# KiCad board pcb.kicad_pcb (continued)
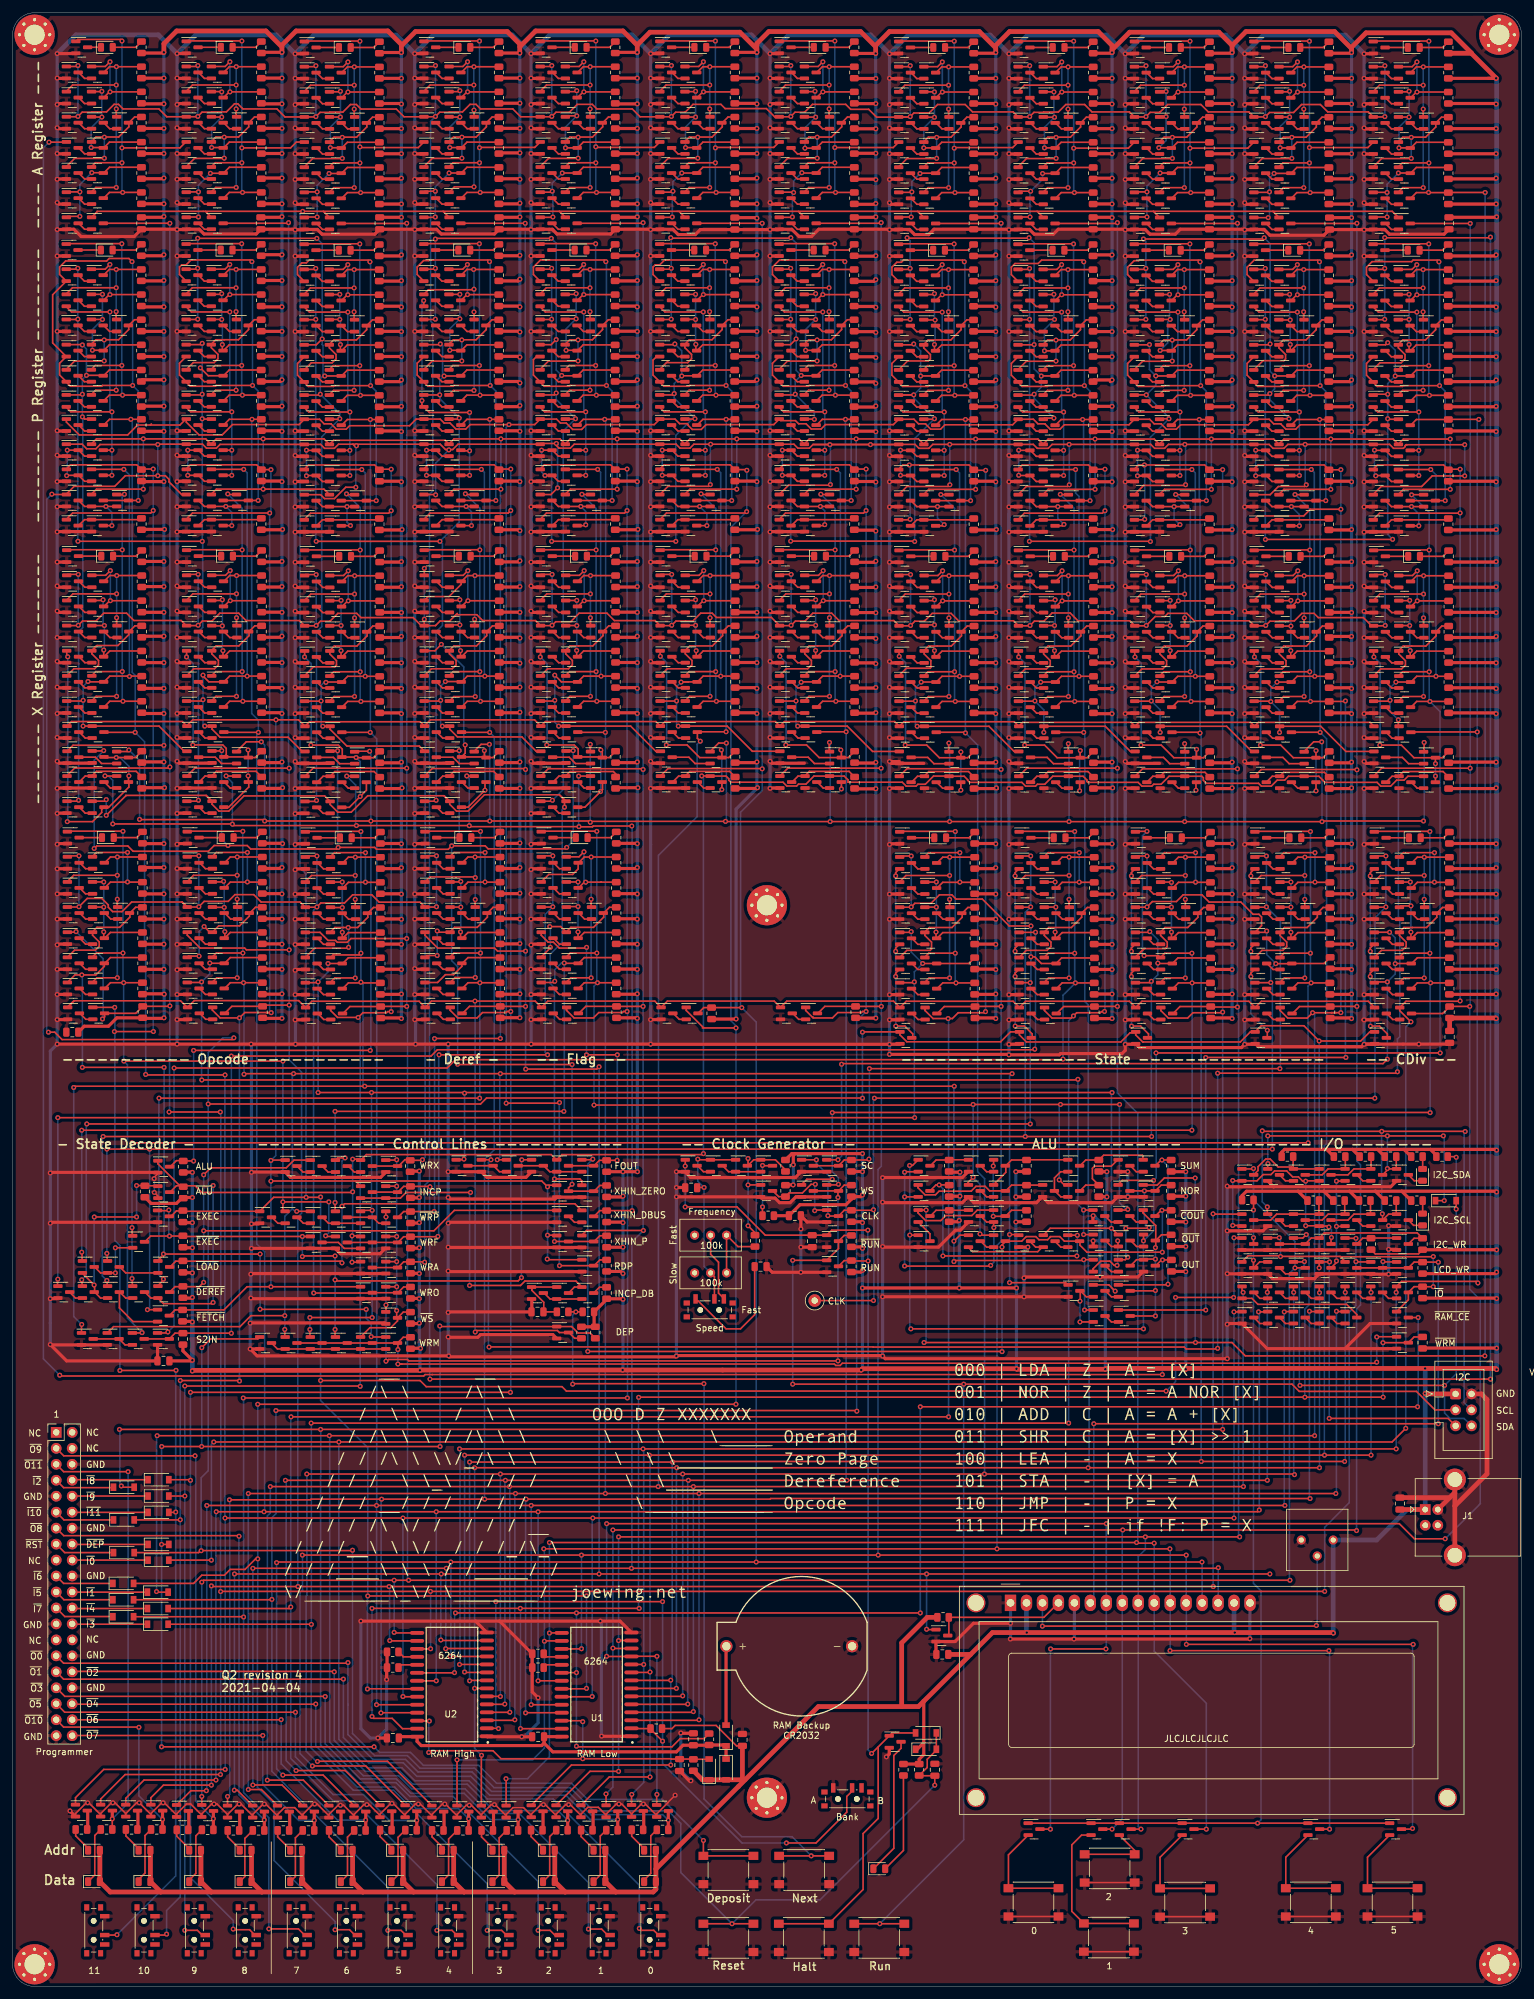
[diagram p0: board, top side]
## Placement (name value [footprint] x y rotation side) (continued)
Q278  2N7002  [SOT-23]  145.95 207.54 0 top
Q279  2N7002  [SOT-23]  145.95 223.54 0 top
Q280  2N7002  [SOT-23]  141.95 207.54 0 top
Q281  2N7002  [SOT-23]  141.95 223.54 0 top
Q282  2N7002  [SOT-23]  149.95 215.54 0 top
Q283  2N7002  [SOT-23]  145.95 215.54 0 top
Q284  2N7002  [SOT-23]  141.95 215.54 0 top
Q285  2N7002  [SOT-23]  145.95 211.54 0 top
Q286  2N7002  [SOT-23]  141.95 211.54 0 top
Q287  2N7002  [SOT-23]  146.06 158.76 0 top
Q288  2N7002  [SOT-23]  146.06 174.76 0 top
Q289  2N7002  [SOT-23]  142.06 158.76 0 top
Q290  2N7002  [SOT-23]  142.06 174.76 0 top
Q291  2N7002K  [SOT-23]  142.06 182.76 0 top
Q292  2N7002  [SOT-23]  146.06 162.76 0 top
Q293  2N7002  [SOT-23]  146.06 178.76 0 top
Q294  2N7002  [SOT-23]  142.06 162.76 0 top
Q295  2N7002  [SOT-23]  142.06 178.76 0 top
Q296  2N7002  [SOT-23]  150.06 170.76 0 top
Q297  2N7002  [SOT-23]  146.06 170.76 0 top
Q298  2N7002  [SOT-23]  142.06 170.76 0 top
Q299  2N7002  [SOT-23]  146.06 166.76 0 top
Q300  2N7002  [SOT-23]  142.06 166.76 0 top
Q301  2N7002  [SOT-23]  126.45 130.58 0 top
Q302  2N7002  [SOT-23]  130.45 130.58 0 top
Q303  2N7002  [SOT-23]  115.95 130.58 0 top
Q304  2N7002  [SOT-23]  119.95 130.58 0 top
Q305  2N7002  [SOT-23]  119.95 126.58 0 top
Q306  2N7002  [SOT-23]  130.45 122.58 0 top
Q307  2N7002  [SOT-23]  111.95 130.58 0 top
Q308  2N7002  [SOT-23]  126.45 126.58 0 top
Q309  2N7002  [SOT-23]  130.45 126.58 0 top
Q310  2N7002  [SOT-23]  107.95 130.58 0 top
Q311  2N7002K  [SOT-23]  130.45 118.58 0 top
Q312  2N7002K  [SOT-23]  130.45 114.58 0 top
Q313  2N7002  [SOT-23]  140.4 38.93 0 top
Q314  2N7002K  [SOT-23]  51.55 154.8 0 top
Q315  2N7002K  [SOT-23]  47.55 154.8 0 top
Q316  2N7002  [SOT-23]  51.35 248.4 0 top
Q317  2N7002  [SOT-23]  47.35 248.4 0 top
Q318  2N7002  [SOT-23]  51.35 244.4 0 top
Q319  2N7002  [SOT-23]  51.35 240.4 0 top
Q320  2N7002  [SOT-23]  51.35 236.4 0 top
Q321  2N7002  [SOT-23]  55.35 236.4 0 top
Q322  2N7002K  [SOT-23]  47.35 244.4 0 top
Q323  2N7002K  [SOT-23]  47.35 240.4 0 top
Q324  2N7002K  [SOT-23]  47.35 236.4 0 top
Q325  2N7002  [SOT-23]  51.35 232.4 0 top
Q326  2N7002K  [SOT-23]  47.35 232.4 0 top
Q327  2N7002  [SOT-23]  51.33 252.24 0 top
Q328  2N7002  [SOT-23]  51.33 268.24 0 top
Q329  2N7002  [SOT-23]  47.33 252.24 0 top
Q330  2N7002  [SOT-23]  47.33 268.24 0 top
Q331  2N7002K  [SOT-23]  47.33 276.24 0 top
Q332  2N7002  [SOT-23]  51.33 256.24 0 top
Q333  2N7002  [SOT-23]  51.33 272.24 0 top
Q334  2N7002  [SOT-23]  47.33 256.24 0 top
Q335  2N7002  [SOT-23]  47.33 272.24 0 top
Q336  2N7002  [SOT-23]  55.33 264.24 0 top
Q337  2N7002  [SOT-23]  51.33 264.24 0 top
Q338  2N7002  [SOT-23]  47.33 264.24 0 top
Q339  2N7002  [SOT-23]  51.33 260.24 0 top
Q340  2N7002  [SOT-23]  47.33 260.24 0 top
Q341  2N7002  [SOT-23]  51.35 280.5 0 top
Q342  2N7002  [SOT-23]  47.35 280.5 0 top
Q343  2N7002  [SOT-23]  51.35 284.5 0 top
Q344  2N7002  [SOT-23]  51.35 300.5 0 top
Q345  2N7002  [SOT-23]  47.35 284.5 0 top
Q346  2N7002  [SOT-23]  47.35 300.5 0 top
Q347  2N7002K  [SOT-23]  47.35 308.5 0 top
Q348  2N7002  [SOT-23]  51.35 288.5 0 top
Q349  2N7002  [SOT-23]  51.35 304.5 0 top
Q350  2N7002  [SOT-23]  47.35 288.5 0 top
Q351  2N7002  [SOT-23]  47.35 304.5 0 top
Q352  2N7002  [SOT-23]  55.35 296.5 0 top
Q353  2N7002  [SOT-23]  51.35 296.5 0 top
Q354  2N7002  [SOT-23]  47.35 296.5 0 top
Q355  2N7002  [SOT-23]  51.35 292.5 0 top
Q356  2N7002  [SOT-23]  47.35 292.5 0 top
Q357  2N7002  [SOT-23]  55.35 191.6 0 top
Q358  2N7002  [SOT-23]  51.45 199.55 0 top
Q359  2N7002  [SOT-23]  51.45 187.6 0 top
Q360  2N7002  [SOT-23]  55.35 195.5 0 top
Q361  2N7002  [SOT-23]  51.45 195.6 0 top
Q362  2N7002  [SOT-23]  51.45 191.6 0 top
Q363  2N7002  [SOT-23]  47.45 199.55 0 top
Q364  2N7002  [SOT-23]  47.45 187.6 0 top
Q365  2N7002  [SOT-23]  47.45 195.55 0 top
Q366  2N7002  [SOT-23]  47.45 191.6 0 top
Q367  2N7002  [SOT-23]  51.4 203.54 0 top
Q368  2N7002  [SOT-23]  51.4 219.54 0 top
Q369  2N7002  [SOT-23]  47.4 203.54 0 top
Q370  2N7002  [SOT-23]  47.4 219.54 0 top
Q371  2N7002K  [SOT-23]  47.4 227.54 0 top
Q372  2N7002  [SOT-23]  51.4 207.54 0 top
Q373  2N7002  [SOT-23]  51.4 223.54 0 top
Q374  2N7002  [SOT-23]  47.4 207.54 0 top
Q375  2N7002  [SOT-23]  47.4 223.54 0 top
Q376  2N7002  [SOT-23]  55.4 215.54 0 top
Q377  2N7002  [SOT-23]  51.4 215.54 0 top
Q378  2N7002  [SOT-23]  47.4 215.54 0 top
Q379  2N7002  [SOT-23]  51.4 211.54 0 top
Q380  2N7002  [SOT-23]  47.4 211.54 0 top
Q381  2N7002  [SOT-23]  51.51 158.76 0 top
Q382  2N7002  [SOT-23]  51.51 174.76 0 top
Q383  2N7002  [SOT-23]  47.51 158.76 0 top
Q384  2N7002  [SOT-23]  47.51 174.76 0 top
Q385  2N7002K  [SOT-23]  47.51 182.76 0 top
Q386  2N7002  [SOT-23]  51.51 162.76 0 top
Q387  2N7002  [SOT-23]  51.51 178.76 0 top
Q388  2N7002  [SOT-23]  47.51 162.76 0 top
Q389  2N7002  [SOT-23]  47.51 178.76 0 top
Q390  2N7002  [SOT-23]  55.51 170.76 0 top
Q391  2N7002  [SOT-23]  51.51 170.76 0 top
Q392  2N7002  [SOT-23]  47.51 170.76 0 top
Q393  2N7002  [SOT-23]  51.51 166.76 0 top
Q394  2N7002  [SOT-23]  47.51 166.76 0 top
Q395  2N7002K  [SOT-23]  165.1 154.8 0 top
Q396  2N7002K  [SOT-23]  161.1 154.8 0 top
Q397  2N7002K  [SOT-23]  161.1 150.93 0 top
Q398  2N7002  [SOT-23]  164.9 248.4 0 top
Q399  2N7002  [SOT-23]  160.9 248.4 0 top
Q400  2N7002  [SOT-23]  164.9 244.4 0 top
Q401  2N7002  [SOT-23]  164.9 240.4 0 top
Q402  2N7002  [SOT-23]  164.9 236.4 0 top
Q403  2N7002  [SOT-23]  168.9 236.4 0 top
Q404  2N7002K  [SOT-23]  160.9 244.4 0 top
Q405  2N7002K  [SOT-23]  160.9 240.4 0 top
Q406  2N7002K  [SOT-23]  160.9 236.4 0 top
Q407  2N7002  [SOT-23]  164.9 232.4 0 top
Q408  2N7002K  [SOT-23]  160.9 232.4 0 top
Q409  2N7002  [SOT-23]  164.88 252.24 0 top
Q410  2N7002  [SOT-23]  164.88 268.24 0 top
Q411  2N7002  [SOT-23]  160.88 252.24 0 top
Q412  2N7002  [SOT-23]  160.88 268.24 0 top
Q413  2N7002K  [SOT-23]  160.88 276.24 0 top
Q414  2N7002  [SOT-23]  164.88 256.24 0 top
Q415  2N7002  [SOT-23]  164.88 272.24 0 top
Q416  2N7002  [SOT-23]  160.88 256.24 0 top
Q417  2N7002  [SOT-23]  160.88 272.24 0 top
Q418  2N7002  [SOT-23]  168.88 264.24 0 top
Q419  2N7002  [SOT-23]  164.88 264.24 0 top
Q420  2N7002  [SOT-23]  160.88 264.24 0 top
Q421  2N7002  [SOT-23]  164.88 260.24 0 top
Q422  2N7002  [SOT-23]  160.88 260.24 0 top
Q423  2N7002  [SOT-23]  164.9 280.5 0 top
Q424  2N7002  [SOT-23]  160.9 280.5 0 top
Q425  2N7002  [SOT-23]  164.9 284.5 0 top
Q426  2N7002  [SOT-23]  164.9 300.5 0 top
Q427  2N7002  [SOT-23]  160.9 284.5 0 top
Q428  2N7002  [SOT-23]  160.9 300.5 0 top
Q429  2N7002K  [SOT-23]  160.9 308.5 0 top
Q430  2N7002  [SOT-23]  164.9 288.5 0 top
Q431  2N7002  [SOT-23]  164.9 304.5 0 top
Q432  2N7002  [SOT-23]  160.9 288.5 0 top
Q433  2N7002  [SOT-23]  160.9 304.5 0 top
Q434  2N7002  [SOT-23]  168.9 296.5 0 top
Q435  2N7002  [SOT-23]  164.9 296.5 0 top
Q436  2N7002  [SOT-23]  160.9 296.5 0 top
Q437  2N7002  [SOT-23]  164.9 292.5 0 top
Q438  2N7002  [SOT-23]  160.9 292.5 0 top
Q439  2N7002  [SOT-23]  168.9 191.6 0 top
Q440  2N7002  [SOT-23]  165 199.55 0 top
Q441  2N7002  [SOT-23]  168.9 195.5 0 top
Q442  2N7002  [SOT-23]  161 191.6 0 top
Q443  2N7002  [SOT-23]  165 191.6 0 top
Q444  2N7002  [SOT-23]  161 199.55 0 top
Q445  2N7002  [SOT-23]  161 195.55 0 top
Q446  2N7002  [SOT-23]  164.95 203.54 0 top
Q447  2N7002  [SOT-23]  164.95 219.54 0 top
Q448  2N7002  [SOT-23]  160.95 203.54 0 top
Q449  2N7002  [SOT-23]  160.95 219.54 0 top
Q450  2N7002K  [SOT-23]  160.95 227.54 0 top
Q451  2N7002  [SOT-23]  164.95 207.54 0 top
Q452  2N7002  [SOT-23]  164.95 223.54 0 top
Q453  2N7002  [SOT-23]  160.95 207.54 0 top
Q454  2N7002  [SOT-23]  160.95 223.54 0 top
Q455  2N7002  [SOT-23]  168.95 215.54 0 top
Q456  2N7002  [SOT-23]  164.95 215.54 0 top
Q457  2N7002  [SOT-23]  160.95 215.54 0 top
Q458  2N7002  [SOT-23]  164.95 211.54 0 top
Q459  2N7002  [SOT-23]  160.95 211.54 0 top
Q460  2N7002  [SOT-23]  165.06 158.76 0 top
Q461  2N7002  [SOT-23]  165.06 174.76 0 top
Q462  2N7002  [SOT-23]  161.06 158.76 0 top
Q463  2N7002  [SOT-23]  161.06 174.76 0 top
Q464  2N7002K  [SOT-23]  161.06 182.76 0 top
Q465  2N7002  [SOT-23]  165.06 162.76 0 top
Q466  2N7002  [SOT-23]  165.06 178.76 0 top
Q467  2N7002  [SOT-23]  161.06 162.76 0 top
Q468  2N7002  [SOT-23]  161.06 178.76 0 top
Q469  2N7002  [SOT-23]  169.06 170.76 0 top
Q470  2N7002  [SOT-23]  165.06 170.76 0 top
Q471  2N7002  [SOT-23]  161.06 170.76 0 top
Q472  2N7002  [SOT-23]  165.06 166.76 0 top
Q473  2N7002  [SOT-23]  161.06 166.76 0 top
Q474  2N7002  [SOT-23]  157 122.58 0 top
Q475  2N7002  [SOT-23]  153 122.58 0 top
Q476  2N7002  [SOT-23]  145 122.58 0 top
Q477  2N7002  [SOT-23]  157 130.58 0 top
Q478  2N7002  [SOT-23]  145 118.58 0 top
Q479  2N7002  [SOT-23]  153 130.58 0 top
Q480  2N7002  [SOT-23]  145 130.58 0 top
Q481  2N7002  [SOT-23]  168.8 130.58 0 top
Q482  2N7002  [SOT-23]  145 126.58 0 top
Q483  2N7002  [SOT-23]  157 126.58 0 top
Q484  2N7002  [SOT-23]  180.8 130.58 0 top
Q485  2N7002  [SOT-23]  153 126.58 0 top
Q486  2N7002  [SOT-23]  176.8 130.58 0 top
Q487  2N7002  [SOT-23]  180.85 114.68 0 top
Q488  2N7002  [SOT-23]  168.8 126.58 0 top
Q489  2N7002  [SOT-23]  180.8 122.58 0 top
Q490  2N7002  [SOT-23]  168.8 118.58 0 top
Q491  2N7002  [SOT-23]  157 118.58 0 top
Q492  2N7002  [SOT-23]  176.8 122.58 0 top
Q493  2N7002  [SOT-23]  164.9 118.58 0 top
Q494  2N7002  [SOT-23]  153 118.58 0 top
Q495  2N7002  [SOT-23]  180.85 118.68 0 top
Q496  2N7002  [SOT-23]  176.85 114.68 0 top
Q497  2N7002  [SOT-23]  176.85 110.68 0 top
Q498  2N7002  [SOT-23]  176.85 106.68 0 top
Q499  2N7002  [SOT-23]  164.8 126.58 0 top
Q500  2N7002  [SOT-23]  172.8 122.58 0 top
Q501  2N7002  [SOT-23]  176.85 118.68 0 top
Q502  2N7002  [SOT-23]  172.85 114.68 0 top
Q503  2N7002  [SOT-23]  172.85 110.68 0 top
Q504  2N7002  [SOT-23]  172.85 106.68 0 top
Q505  2N7002  [SOT-23]  161 118.58 0 top
Q506  2N7002  [SOT-23]  172.85 118.68 0 top
Q507  2N7002  [SOT-23]  168.85 110.68 0 top
Q508  2N7002  [SOT-23]  180.8 126.58 0 top
Q509  2N7002  [SOT-23]  176.8 126.58 0 top
Q510  2N7002K  [SOT-23]  70.58 154.82 0 top
Q511  2N7002K  [SOT-23]  66.58 154.82 0 top
Q512  2N7002  [SOT-23]  70.38 248.42 0 top
Q513  2N7002  [SOT-23]  66.38 248.42 0 top
Q514  2N7002  [SOT-23]  70.38 244.42 0 top
Q515  2N7002  [SOT-23]  70.38 240.42 0 top
Q516  2N7002  [SOT-23]  70.38 236.42 0 top
Q517  2N7002  [SOT-23]  74.38 236.42 0 top
Q518  2N7002K  [SOT-23]  66.38 244.42 0 top
Q519  2N7002K  [SOT-23]  66.38 240.42 0 top
Q520  2N7002K  [SOT-23]  66.38 236.42 0 top
Q521  2N7002  [SOT-23]  70.38 232.42 0 top
Q522  2N7002K  [SOT-23]  66.38 232.42 0 top
Q523  2N7002  [SOT-23]  70.36 252.27 0 top
Q524  2N7002  [SOT-23]  70.36 268.27 0 top
Q525  2N7002  [SOT-23]  66.36 252.27 0 top
Q526  2N7002  [SOT-23]  66.36 268.27 0 top
Q527  2N7002K  [SOT-23]  66.36 276.27 0 top
Q528  2N7002  [SOT-23]  70.36 256.27 0 top
Q529  2N7002  [SOT-23]  70.36 272.27 0 top
Q530  2N7002  [SOT-23]  66.36 256.27 0 top
Q531  2N7002  [SOT-23]  66.36 272.27 0 top
Q532  2N7002  [SOT-23]  74.36 264.27 0 top
Q533  2N7002  [SOT-23]  70.36 264.27 0 top
Q534  2N7002  [SOT-23]  66.36 264.27 0 top
Q535  2N7002  [SOT-23]  70.36 260.27 0 top
Q536  2N7002  [SOT-23]  66.36 260.27 0 top
Q537  2N7002  [SOT-23]  70.38 280.52 0 top
Q538  2N7002  [SOT-23]  66.38 280.52 0 top
Q539  2N7002  [SOT-23]  70.38 284.52 0 top
Q540  2N7002  [SOT-23]  70.38 300.52 0 top
Q541  2N7002  [SOT-23]  66.38 284.52 0 top
Q542  2N7002  [SOT-23]  66.38 300.52 0 top
Q543  2N7002K  [SOT-23]  66.38 308.52 0 top
Q544  2N7002  [SOT-23]  70.38 288.52 0 top
Q545  2N7002  [SOT-23]  70.38 304.52 0 top
Q546  2N7002  [SOT-23]  66.38 288.52 0 top
Q547  2N7002  [SOT-23]  66.38 304.52 0 top
Q548  2N7002  [SOT-23]  74.38 296.52 0 top
Q549  2N7002  [SOT-23]  70.38 296.52 0 top
Q550  2N7002  [SOT-23]  66.38 296.52 0 top
Q551  2N7002  [SOT-23]  70.38 292.52 0 top
Q552  2N7002  [SOT-23]  66.38 292.52 0 top
Q553  2N7002  [SOT-23]  74.38 191.62 0 top
Q554  2N7002  [SOT-23]  70.47 199.57 0 top
Q555  2N7002  [SOT-23]  70.48 187.62 0 top
Q556  2N7002  [SOT-23]  74.38 195.52 0 top
Q557  2N7002  [SOT-23]  70.47 195.62 0 top
Q558  2N7002  [SOT-23]  70.48 191.62 0 top
Q559  2N7002  [SOT-23]  66.47 199.57 0 top
Q560  2N7002  [SOT-23]  66.48 187.62 0 top
Q561  2N7002  [SOT-23]  66.48 195.57 0 top
Q562  2N7002  [SOT-23]  66.48 191.62 0 top
Q563  2N7002  [SOT-23]  70.42 203.56 0 top
Q564  2N7002  [SOT-23]  70.42 219.56 0 top
Q565  2N7002  [SOT-23]  66.42 203.56 0 top
Q566  2N7002  [SOT-23]  66.42 219.56 0 top
Q567  2N7002K  [SOT-23]  66.42 227.56 0 top
Q568  2N7002  [SOT-23]  70.42 207.56 0 top
Q569  2N7002  [SOT-23]  70.42 223.56 0 top
Q570  2N7002  [SOT-23]  66.42 207.56 0 top
Q571  2N7002  [SOT-23]  66.42 223.56 0 top
Q572  2N7002  [SOT-23]  74.42 215.56 0 top
Q573  2N7002  [SOT-23]  70.42 215.56 0 top
Q574  2N7002  [SOT-23]  66.42 215.56 0 top
Q575  2N7002  [SOT-23]  70.42 211.56 0 top
Q576  2N7002  [SOT-23]  66.42 211.56 0 top
Q577  2N7002  [SOT-23]  70.54 158.78 0 top
Q578  2N7002  [SOT-23]  70.54 174.78 0 top
Q579  2N7002  [SOT-23]  66.54 158.78 0 top
Q580  2N7002  [SOT-23]  66.54 174.78 0 top
Q581  2N7002K  [SOT-23]  66.54 182.78 0 top
Q582  2N7002  [SOT-23]  70.54 162.78 0 top
Q583  2N7002  [SOT-23]  70.54 178.78 0 top
Q584  2N7002  [SOT-23]  66.54 162.78 0 top
Q585  2N7002  [SOT-23]  66.54 178.78 0 top
Q586  2N7002  [SOT-23]  74.54 170.78 0 top
Q587  2N7002  [SOT-23]  70.54 170.78 0 top
Q588  2N7002  [SOT-23]  66.54 170.78 0 top
Q589  2N7002  [SOT-23]  70.54 166.78 0 top
Q590  2N7002  [SOT-23]  66.54 166.78 0 top
Q591  2N7002K  [SOT-23]  183.6 154.8 0 top
Q592  2N7002K  [SOT-23]  179.6 154.8 0 top
Q593  2N7002K  [SOT-23]  179.6 150.93 0 top
Q594  2N7002  [SOT-23]  183.4 248.4 0 top
Q595  2N7002  [SOT-23]  179.4 248.4 0 top
Q596  2N7002  [SOT-23]  183.4 244.4 0 top
Q597  2N7002  [SOT-23]  183.4 240.4 0 top
Q598  2N7002  [SOT-23]  183.4 236.4 0 top
Q599  2N7002  [SOT-23]  187.4 236.4 0 top
Q600  2N7002K  [SOT-23]  179.4 244.4 0 top
Q601  2N7002K  [SOT-23]  179.4 240.4 0 top
Q602  2N7002K  [SOT-23]  179.4 236.4 0 top
Q603  2N7002  [SOT-23]  183.4 232.4 0 top
Q604  2N7002K  [SOT-23]  179.4 232.4 0 top
Q605  2N7002  [SOT-23]  183.38 252.24 0 top
Q606  2N7002  [SOT-23]  183.38 268.24 0 top
Q607  2N7002  [SOT-23]  179.38 252.24 0 top
Q608  2N7002  [SOT-23]  179.38 268.24 0 top
Q609  2N7002K  [SOT-23]  179.38 276.24 0 top
Q610  2N7002  [SOT-23]  183.38 256.24 0 top
Q611  2N7002  [SOT-23]  183.38 272.24 0 top
Q612  2N7002  [SOT-23]  179.38 256.24 0 top
Q613  2N7002  [SOT-23]  179.38 272.24 0 top
Q614  2N7002  [SOT-23]  187.38 264.24 0 top
Q615  2N7002  [SOT-23]  183.38 264.24 0 top
Q616  2N7002  [SOT-23]  179.38 264.24 0 top
Q617  2N7002  [SOT-23]  183.38 260.24 0 top
Q618  2N7002  [SOT-23]  179.38 260.24 0 top
Q619  2N7002  [SOT-23]  183.4 280.5 0 top
Q620  2N7002  [SOT-23]  179.4 280.5 0 top
Q621  2N7002  [SOT-23]  183.4 284.5 0 top
Q622  2N7002  [SOT-23]  183.4 300.5 0 top
Q623  2N7002  [SOT-23]  179.4 284.5 0 top
Q624  2N7002  [SOT-23]  179.4 300.5 0 top
Q625  2N7002K  [SOT-23]  179.4 308.5 0 top
Q626  2N7002  [SOT-23]  183.4 288.5 0 top
Q627  2N7002  [SOT-23]  183.4 304.5 0 top
Q628  2N7002  [SOT-23]  179.4 288.5 0 top
Q629  2N7002  [SOT-23]  179.4 304.5 0 top
Q630  2N7002  [SOT-23]  187.4 296.5 0 top
Q631  2N7002  [SOT-23]  183.4 296.5 0 top
Q632  2N7002  [SOT-23]  179.4 296.5 0 top
Q633  2N7002  [SOT-23]  183.4 292.5 0 top
Q634  2N7002  [SOT-23]  179.4 292.5 0 top
Q635  2N7002  [SOT-23]  187.4 191.6 0 top
Q636  2N7002  [SOT-23]  183.5 199.55 0 top
Q637  2N7002  [SOT-23]  187.4 195.5 0 top
Q638  2N7002  [SOT-23]  179.5 191.6 0 top
Q639  2N7002  [SOT-23]  183.5 191.6 0 top
Q640  2N7002  [SOT-23]  179.5 199.55 0 top
Q641  2N7002  [SOT-23]  179.5 195.55 0 top
Q642  2N7002  [SOT-23]  183.45 203.54 0 top
Q643  2N7002  [SOT-23]  183.45 219.54 0 top
Q644  2N7002  [SOT-23]  179.45 203.54 0 top
Q645  2N7002  [SOT-23]  179.45 219.54 0 top
Q646  2N7002K  [SOT-23]  179.45 227.54 0 top
Q647  2N7002  [SOT-23]  183.45 207.54 0 top
Q648  2N7002  [SOT-23]  183.45 223.54 0 top
Q649  2N7002  [SOT-23]  179.45 207.54 0 top
Q650  2N7002  [SOT-23]  179.45 223.54 0 top
Q651  2N7002  [SOT-23]  187.45 215.54 0 top
Q652  2N7002  [SOT-23]  183.45 215.54 0 top
Q653  2N7002  [SOT-23]  179.45 215.54 0 top
Q654  2N7002  [SOT-23]  183.45 211.54 0 top
Q655  2N7002  [SOT-23]  179.45 211.54 0 top
Q656  2N7002  [SOT-23]  183.56 158.76 0 top
Q657  2N7002  [SOT-23]  183.56 174.76 0 top
Q658  2N7002  [SOT-23]  179.56 158.76 0 top
Q659  2N7002  [SOT-23]  179.56 174.76 0 top
Q660  2N7002K  [SOT-23]  179.56 182.76 0 top
Q661  2N7002  [SOT-23]  183.56 162.76 0 top
Q662  2N7002  [SOT-23]  183.56 178.76 0 top
Q663  2N7002  [SOT-23]  179.56 162.76 0 top
Q664  2N7002  [SOT-23]  179.56 178.76 0 top
Q665  2N7002  [SOT-23]  187.56 170.76 0 top
Q666  2N7002  [SOT-23]  183.56 170.76 0 top
Q667  2N7002  [SOT-23]  179.56 170.76 0 top
Q668  2N7002  [SOT-23]  183.56 166.76 0 top
Q669  2N7002  [SOT-23]  179.56 166.76 0 top
Q670  2N7002  [SOT-23]  221.1 114.33 0 top
Q671  2N7002  [SOT-23]  196.5 118.13 0 top
Q672  2N7002  [SOT-23]  196.5 114.33 0 top
Q673  2N7002  [SOT-23]  200.6 118.13 0 top
Q674  2N7002  [SOT-23]  221.1 110.43 0 top
Q675  2N7002  [SOT-23]  217 110.43 0 top
Q676  2N7002  [SOT-23]  212.9 110.43 0 top
Q677  2N7002  [SOT-23]  208.8 110.43 0 top
Q678  2N7002  [SOT-23]  221.1 102.43 0 top
Q679  2N7002  [SOT-23]  221.1 106.43 0 top
Q680  2N7002  [SOT-23]  204.7 110.43 0 top
Q681  2N7002  [SOT-23]  200.6 110.43 0 top
Q682  2N7002  [SOT-23]  196.52 110.43 0 top
Q683  2N7002  [SOT-23]  212.9 106.43 0 top
Q684  2N7002  [SOT-23]  208.8 106.43 0 top
Q685  2N7002  [SOT-23]  204.7 106.43 0 top
Q686  2N7002  [SOT-23]  200.6 106.43 0 top
Q687  2N7002  [SOT-23]  196.52 106.43 0 top
Q688  2N7002K  [SOT-23]  89.07 154.82 0 top
Q689  2N7002K  [SOT-23]  85.07 154.82 0 top
Q690  2N7002  [SOT-23]  88.88 248.42 0 top
Q691  2N7002  [SOT-23]  84.88 248.42 0 top
Q692  2N7002  [SOT-23]  88.88 244.42 0 top
Q693  2N7002  [SOT-23]  88.88 240.42 0 top
Q694  2N7002  [SOT-23]  88.88 236.42 0 top
Q695  2N7002  [SOT-23]  92.88 236.42 0 top
Q696  2N7002K  [SOT-23]  84.88 244.42 0 top
Q697  2N7002K  [SOT-23]  84.88 240.42 0 top
Q698  2N7002K  [SOT-23]  84.88 236.42 0 top
Q699  2N7002  [SOT-23]  88.88 232.42 0 top
Q700  2N7002K  [SOT-23]  84.88 232.42 0 top
Q701  2N7002  [SOT-23]  88.85 252.27 0 top
Q702  2N7002  [SOT-23]  88.85 268.27 0 top
Q703  2N7002  [SOT-23]  84.85 252.27 0 top
Q704  2N7002  [SOT-23]  84.85 268.27 0 top
Q705  2N7002K  [SOT-23]  84.85 276.27 0 top
Q706  2N7002  [SOT-23]  88.85 256.27 0 top
Q707  2N7002  [SOT-23]  88.85 272.27 0 top
Q708  2N7002  [SOT-23]  84.85 256.27 0 top
Q709  2N7002  [SOT-23]  84.85 272.27 0 top
Q710  2N7002  [SOT-23]  92.85 264.27 0 top
Q711  2N7002  [SOT-23]  88.85 264.27 0 top
Q712  2N7002  [SOT-23]  84.85 264.27 0 top
Q713  2N7002  [SOT-23]  88.85 260.27 0 top
Q714  2N7002  [SOT-23]  84.85 260.27 0 top
Q715  2N7002  [SOT-23]  88.88 280.52 0 top
Q716  2N7002  [SOT-23]  84.88 280.52 0 top
Q717  2N7002  [SOT-23]  88.88 284.52 0 top
Q718  2N7002  [SOT-23]  88.88 300.52 0 top
Q719  2N7002  [SOT-23]  84.88 284.52 0 top
Q720  2N7002  [SOT-23]  84.88 300.52 0 top
Q721  2N7002K  [SOT-23]  84.88 308.52 0 top
Q722  2N7002  [SOT-23]  88.88 288.52 0 top
Q723  2N7002  [SOT-23]  88.88 304.52 0 top
Q724  2N7002  [SOT-23]  84.88 288.52 0 top
Q725  2N7002  [SOT-23]  84.88 304.52 0 top
Q726  2N7002  [SOT-23]  92.88 296.52 0 top
Q727  2N7002  [SOT-23]  88.88 296.52 0 top
Q728  2N7002  [SOT-23]  84.88 296.52 0 top
Q729  2N7002  [SOT-23]  88.88 292.52 0 top
Q730  2N7002  [SOT-23]  84.88 292.52 0 top
Q731  2N7002  [SOT-23]  92.88 191.62 0 top
Q732  2N7002  [SOT-23]  88.97 199.57 0 top
Q733  2N7002  [SOT-23]  88.98 187.62 0 top
Q734  2N7002  [SOT-23]  92.88 195.52 0 top
Q735  2N7002  [SOT-23]  88.97 195.62 0 top
Q736  2N7002  [SOT-23]  88.98 191.62 0 top
Q737  2N7002  [SOT-23]  84.97 199.57 0 top
Q738  2N7002  [SOT-23]  84.98 187.62 0 top
Q739  2N7002  [SOT-23]  84.98 195.57 0 top
Q740  2N7002  [SOT-23]  84.98 191.62 0 top
Q741  2N7002  [SOT-23]  88.93 203.56 0 top
Q742  2N7002  [SOT-23]  88.93 219.56 0 top
Q743  2N7002  [SOT-23]  84.93 203.56 0 top
Q744  2N7002  [SOT-23]  84.93 219.56 0 top
Q745  2N7002K  [SOT-23]  84.93 227.56 0 top
Q746  2N7002  [SOT-23]  88.93 207.56 0 top
Q747  2N7002  [SOT-23]  88.93 223.56 0 top
Q748  2N7002  [SOT-23]  84.93 207.56 0 top
Q749  2N7002  [SOT-23]  84.93 223.56 0 top
Q750  2N7002  [SOT-23]  92.93 215.56 0 top
Q751  2N7002  [SOT-23]  88.93 215.56 0 top
Q752  2N7002  [SOT-23]  84.93 215.56 0 top
Q753  2N7002  [SOT-23]  88.93 211.56 0 top
Q754  2N7002  [SOT-23]  84.93 211.56 0 top
Q755  2N7002  [SOT-23]  89.04 158.78 0 top
Q756  2N7002  [SOT-23]  89.04 174.78 0 top
Q757  2N7002  [SOT-23]  85.04 158.78 0 top
Q758  2N7002  [SOT-23]  85.04 174.78 0 top
Q759  2N7002K  [SOT-23]  85.04 182.78 0 top
Q760  2N7002  [SOT-23]  89.04 162.78 0 top
Q761  2N7002  [SOT-23]  89.04 178.78 0 top
Q762  2N7002  [SOT-23]  85.04 162.78 0 top
Q763  2N7002  [SOT-23]  85.04 178.78 0 top
Q764  2N7002  [SOT-23]  93.04 170.78 0 top
Q765  2N7002  [SOT-23]  89.04 170.78 0 top
Q766  2N7002  [SOT-23]  85.04 170.78 0 top
Q767  2N7002  [SOT-23]  89.04 166.78 0 top
Q768  2N7002  [SOT-23]  85.04 166.78 0 top
Q769  2N7002K  [SOT-23]  202.6 154.8 0 top
Q770  2N7002K  [SOT-23]  198.6 154.8 0 top
Q771  2N7002K  [SOT-23]  198.6 150.93 0 top
Q772  2N7002  [SOT-23]  202.4 248.4 0 top
Q773  2N7002  [SOT-23]  198.4 248.4 0 top
Q774  2N7002  [SOT-23]  202.4 244.4 0 top
Q775  2N7002  [SOT-23]  202.4 240.4 0 top
Q776  2N7002  [SOT-23]  202.4 236.4 0 top
Q777  2N7002  [SOT-23]  206.4 236.4 0 top
Q778  2N7002K  [SOT-23]  198.4 244.4 0 top
Q779  2N7002K  [SOT-23]  198.4 240.4 0 top
Q780  2N7002K  [SOT-23]  198.4 236.4 0 top
Q781  2N7002  [SOT-23]  202.4 232.4 0 top
Q782  2N7002K  [SOT-23]  198.4 232.4 0 top
Q783  2N7002  [SOT-23]  202.38 252.24 0 top
Q784  2N7002  [SOT-23]  202.38 268.24 0 top
Q785  2N7002  [SOT-23]  198.38 252.24 0 top
Q786  2N7002  [SOT-23]  198.38 268.24 0 top
Q787  2N7002K  [SOT-23]  198.38 276.24 0 top
Q788  2N7002  [SOT-23]  202.38 256.24 0 top
Q789  2N7002  [SOT-23]  202.38 272.24 0 top
Q790  2N7002  [SOT-23]  198.38 256.24 0 top
Q791  2N7002  [SOT-23]  198.38 272.24 0 top
Q792  2N7002  [SOT-23]  206.38 264.24 0 top
Q793  2N7002  [SOT-23]  202.38 264.24 0 top
Q794  2N7002  [SOT-23]  198.38 264.24 0 top
Q795  2N7002  [SOT-23]  202.38 260.24 0 top
Q796  2N7002  [SOT-23]  198.38 260.24 0 top
Q797  2N7002  [SOT-23]  202.4 280.5 0 top
Q798  2N7002  [SOT-23]  198.4 280.5 0 top
Q799  2N7002  [SOT-23]  202.4 284.5 0 top
Q800  2N7002  [SOT-23]  202.4 300.5 0 top
Q801  2N7002  [SOT-23]  198.4 284.5 0 top
Q802  2N7002  [SOT-23]  198.4 300.5 0 top
Q803  2N7002K  [SOT-23]  198.4 308.5 0 top
Q804  2N7002  [SOT-23]  202.4 288.5 0 top
Q805  2N7002  [SOT-23]  202.4 304.5 0 top
Q806  2N7002  [SOT-23]  198.4 288.5 0 top
Q807  2N7002  [SOT-23]  198.4 304.5 0 top
Q808  2N7002  [SOT-23]  206.4 296.5 0 top
Q809  2N7002  [SOT-23]  202.4 296.5 0 top
Q810  2N7002  [SOT-23]  198.4 296.5 0 top
Q811  2N7002  [SOT-23]  202.4 292.5 0 top
Q812  2N7002  [SOT-23]  198.4 292.5 0 top
Q813  2N7002  [SOT-23]  206.4 191.6 0 top
Q814  2N7002  [SOT-23]  202.5 199.55 0 top
Q815  2N7002  [SOT-23]  206.4 195.5 0 top
Q816  2N7002  [SOT-23]  198.5 191.6 0 top
Q817  2N7002  [SOT-23]  202.5 191.6 0 top
Q818  2N7002  [SOT-23]  198.5 199.55 0 top
Q819  2N7002  [SOT-23]  198.5 195.55 0 top
Q820  2N7002  [SOT-23]  202.45 203.54 0 top
Q821  2N7002  [SOT-23]  202.45 219.54 0 top
Q822  2N7002  [SOT-23]  198.45 203.54 0 top
Q823  2N7002  [SOT-23]  198.45 219.54 0 top
Q824  2N7002K  [SOT-23]  198.45 227.54 0 top
Q825  2N7002  [SOT-23]  202.45 207.54 0 top
Q826  2N7002  [SOT-23]  202.45 223.54 0 top
Q827  2N7002  [SOT-23]  198.45 207.54 0 top
Q828  2N7002  [SOT-23]  198.45 223.54 0 top
Q829  2N7002  [SOT-23]  206.45 215.54 0 top
Q830  2N7002  [SOT-23]  202.45 215.54 0 top
Q831  2N7002  [SOT-23]  198.45 215.54 0 top
Q832  2N7002  [SOT-23]  202.45 211.54 0 top
Q833  2N7002  [SOT-23]  198.45 211.54 0 top
Q834  2N7002  [SOT-23]  202.56 158.76 0 top
Q835  2N7002  [SOT-23]  202.56 174.76 0 top
Q836  2N7002  [SOT-23]  198.56 158.76 0 top
Q837  2N7002  [SOT-23]  198.56 174.76 0 top
Q838  2N7002K  [SOT-23]  198.56 182.76 0 top
Q839  2N7002  [SOT-23]  202.56 162.76 0 top
Q840  2N7002  [SOT-23]  202.56 178.76 0 top
Q841  2N7002  [SOT-23]  198.56 162.76 0 top
Q842  2N7002  [SOT-23]  198.56 178.76 0 top
Q843  2N7002  [SOT-23]  206.56 170.76 0 top
Q844  2N7002  [SOT-23]  202.56 170.76 0 top
Q845  2N7002  [SOT-23]  198.56 170.76 0 top
Q846  2N7002  [SOT-23]  202.56 166.76 0 top
Q847  2N7002  [SOT-23]  198.56 166.76 0 top
Q848  2N7002K  [SOT-23]  87.5 104.04 0 top
Q849  2N7002K  [SOT-23]  147.82 55.83 0 top
Q850  2N7002  [SOT-23]  212.9 118.13 0 top
Q851  2N7002  [SOT-23]  217 114.33 0 top
Q852  2N7002  [SOT-23]  221.1 118.13 0 top
Q853  2N7002  [SOT-23]  204.7 118.13 0 top
Q854  2N7002K  [SOT-23]  204.7 129.13 0 top
Q855  2N7002K  [SOT-23]  196.5 129.13 0 top
Q856  2N7002K  [SOT-23]  220 25.03 0 top
Q857  2N7002K  [SOT-23]  207 25.03 0 top
Q858  2N7002K  [SOT-23]  187 25.03 0 top
Q859  2N7002K  [SOT-23]  177 25.03 0 top
Q860  2N7002K  [SOT-23]  172.5 25.03 0 top
Q861  2N7002K  [SOT-23]  162.5 25.03 0 top
Q862  2N7002K  [SOT-23]  59.38 27.87 0 top
Q863  2N7002K  [SOT-23]  63.38 27.87 0 top
Q864  2N7002K  [SOT-23]  10.95 27.98 0 top
Q865  2N7002K  [SOT-23]  14.95 27.98 0 top
Q866  2N7002K  [SOT-23]  67.64 27.82 0 top
Q867  2N7002K  [SOT-23]  71.64 27.82 0 top
Q868  2N7002K  [SOT-23]  18.94 27.97 0 top
Q869  2N7002K  [SOT-23]  22.94 27.97 0 top
Q870  2N7002K  [SOT-23]  75.51 27.82 0 top
Q871  2N7002K  [SOT-23]  79.45 27.83 0 top
Q872  2N7002K  [SOT-23]  27.03 27.92 0 top
Q873  2N7002K  [SOT-23]  31.03 27.92 0 top
Q874  2N7002K  [SOT-23]  83.45 27.87 0 top
Q875  2N7002K  [SOT-23]  87.39 27.87 0 top
Q876  2N7002K  [SOT-23]  35.13 27.82 0 top
Q877  2N7002K  [SOT-23]  39.13 27.82 0 top
Q878  2N7002K  [SOT-23]  91.35 27.87 0 top
Q879  2N7002K  [SOT-23]  95.35 27.87 0 top
Q880  2N7002K  [SOT-23]  43.08 27.82 0 top
Q881  2N7002K  [SOT-23]  47.08 27.82 0 top
Q882  2N7002K  [SOT-23]  99.4 27.92 0 top
Q883  2N7002K  [SOT-23]  103.4 27.92 0 top
Q884  2N7002K  [SOT-23]  51.25 27.82 0 top
Q885  2N7002K  [SOT-23]  55.25 27.82 0 top
Q886  2N7002K  [SOT-23]  221.6 154.8 0 top
Q887  2N7002K  [SOT-23]  217.6 154.8 0 top
Q888  2N7002K  [SOT-23]  217.6 150.93 0 top
Q889  2N7002  [SOT-23]  221.4 248.4 0 top
Q890  2N7002  [SOT-23]  217.4 248.4 0 top
Q891  2N7002  [SOT-23]  221.4 244.4 0 top
Q892  2N7002  [SOT-23]  221.4 240.4 0 top
Q893  2N7002  [SOT-23]  221.4 236.4 0 top
Q894  2N7002  [SOT-23]  225.4 236.4 0 top
Q895  2N7002K  [SOT-23]  217.4 244.4 0 top
Q896  2N7002K  [SOT-23]  217.4 240.4 0 top
Q897  2N7002K  [SOT-23]  217.4 236.4 0 top
Q898  2N7002  [SOT-23]  221.4 232.4 0 top
Q899  2N7002K  [SOT-23]  217.4 232.4 0 top
Q900  2N7002  [SOT-23]  221.38 252.24 0 top
Q901  2N7002  [SOT-23]  221.38 268.24 0 top
Q902  2N7002  [SOT-23]  217.38 252.24 0 top
Q903  2N7002  [SOT-23]  217.38 268.24 0 top
Q904  2N7002K  [SOT-23]  217.38 276.24 0 top
Q905  2N7002  [SOT-23]  221.38 256.24 0 top
Q906  2N7002  [SOT-23]  221.38 272.24 0 top
Q907  2N7002  [SOT-23]  217.38 256.24 0 top
Q908  2N7002  [SOT-23]  217.38 272.24 0 top
Q909  2N7002  [SOT-23]  225.38 264.24 0 top
Q910  2N7002  [SOT-23]  221.38 264.24 0 top
Q911  2N7002  [SOT-23]  217.38 264.24 0 top
Q912  2N7002  [SOT-23]  221.38 260.24 0 top
Q913  2N7002  [SOT-23]  217.38 260.24 0 top
Q914  2N7002  [SOT-23]  221.4 280.5 0 top
Q915  2N7002  [SOT-23]  217.4 280.5 0 top
Q916  2N7002  [SOT-23]  221.4 284.5 0 top
Q917  2N7002  [SOT-23]  221.4 300.5 0 top
Q918  2N7002  [SOT-23]  217.4 284.5 0 top
Q919  2N7002  [SOT-23]  217.4 300.5 0 top
Q920  2N7002K  [SOT-23]  217.4 308.5 0 top
Q921  2N7002  [SOT-23]  221.4 288.5 0 top
Q922  2N7002  [SOT-23]  221.4 304.5 0 top
Q923  2N7002  [SOT-23]  217.4 288.5 0 top
Q924  2N7002  [SOT-23]  217.4 304.5 0 top
Q925  2N7002  [SOT-23]  225.4 296.5 0 top
Q926  2N7002  [SOT-23]  221.4 296.5 0 top
Q927  2N7002  [SOT-23]  217.4 296.5 0 top
Q928  2N7002  [SOT-23]  221.4 292.5 0 top
Q929  2N7002  [SOT-23]  217.4 292.5 0 top
Q930  2N7002  [SOT-23]  225.4 191.6 0 top
Q931  2N7002  [SOT-23]  221.5 199.55 0 top
Q932  2N7002  [SOT-23]  225.4 195.5 0 top
Q933  2N7002  [SOT-23]  217.5 191.6 0 top
Q934  2N7002  [SOT-23]  221.5 191.6 0 top
Q935  2N7002  [SOT-23]  217.5 199.55 0 top
Q936  2N7002  [SOT-23]  217.5 195.55 0 top
Q937  2N7002  [SOT-23]  221.45 203.54 0 top
Q938  2N7002  [SOT-23]  221.45 219.54 0 top
Q939  2N7002  [SOT-23]  217.45 203.54 0 top
Q940  2N7002  [SOT-23]  217.45 219.54 0 top
Q941  2N7002K  [SOT-23]  217.45 227.54 0 top
Q942  2N7002  [SOT-23]  221.45 207.54 0 top
Q943  2N7002  [SOT-23]  221.45 223.54 0 top
Q944  2N7002  [SOT-23]  217.45 207.54 0 top
Q945  2N7002  [SOT-23]  217.45 223.54 0 top
Q946  2N7002  [SOT-23]  225.45 215.54 0 top
Q947  2N7002  [SOT-23]  221.45 215.54 0 top
Q948  2N7002  [SOT-23]  217.45 215.54 0 top
Q949  2N7002  [SOT-23]  221.45 211.54 0 top
Q950  2N7002  [SOT-23]  217.45 211.54 0 top
Q951  2N7002K  [SOT-23]  127.1 154.82 0 top
Q952  2N7002K  [SOT-23]  123.1 154.82 0 top
Q953  2N7002  [SOT-23]  221.56 158.76 0 top
Q954  2N7002  [SOT-23]  221.56 174.76 0 top
Q955  2N7002  [SOT-23]  217.56 158.76 0 top
Q956  2N7002  [SOT-23]  217.56 174.76 0 top
Q957  2N7002K  [SOT-23]  217.56 182.76 0 top
Q958  2N7002  [SOT-23]  221.56 162.76 0 top
Q959  2N7002  [SOT-23]  221.56 178.76 0 top
Q960  2N7002  [SOT-23]  217.56 162.76 0 top
Q961  2N7002  [SOT-23]  217.56 178.76 0 top
Q962  2N7002  [SOT-23]  225.56 170.76 0 top
Q963  2N7002  [SOT-23]  221.56 170.76 0 top
Q964  2N7002  [SOT-23]  217.56 170.76 0 top
Q965  2N7002  [SOT-23]  221.56 166.76 0 top
Q966  2N7002  [SOT-23]  217.56 166.76 0 top
Q967  2N7002K  [SOT-23]  108.1 154.82 0 top
Q968  2N7002K  [SOT-23]  104.1 154.82 0 top
Q969  2N7002  [SOT-23]  107.9 284.52 0 top
Q970  2N7002  [SOT-23]  107.9 300.52 0 top
Q971  2N7002  [SOT-23]  103.9 284.52 0 top
Q972  2N7002  [SOT-23]  103.9 300.52 0 top
Q973  2N7002K  [SOT-23]  103.9 308.52 0 top
Q974  2N7002  [SOT-23]  107.9 288.52 0 top
Q975  2N7002  [SOT-23]  107.9 304.52 0 top
Q976  2N7002  [SOT-23]  103.9 288.52 0 top
Q977  2N7002  [SOT-23]  103.9 304.52 0 top
Q978  2N7002  [SOT-23]  111.9 296.52 0 top
Q979  2N7002  [SOT-23]  107.9 296.52 0 top
Q980  2N7002  [SOT-23]  103.9 296.52 0 top
Q981  2N7002  [SOT-23]  107.9 292.52 0 top
Q982  2N7002  [SOT-23]  103.9 292.52 0 top
Q983  2N7002  [SOT-23]  111.9 191.62 0 top
Q984  2N7002  [SOT-23]  108 199.57 0 top
Q985  2N7002  [SOT-23]  111.9 195.52 0 top
Q986  2N7002  [SOT-23]  104 191.62 0 top
Q987  2N7002  [SOT-23]  108 191.62 0 top
Q988  2N7002  [SOT-23]  104 199.57 0 top
Q989  2N7002  [SOT-23]  104 195.57 0 top
Q990  2N7002  [SOT-23]  107.95 203.56 0 top
Q991  2N7002  [SOT-23]  107.95 219.56 0 top
Q992  2N7002  [SOT-23]  103.95 203.56 0 top
Q993  2N7002  [SOT-23]  103.95 219.56 0 top
